# KiCad board sun3_60_layout2_routing2.kicad_pcb (continued)
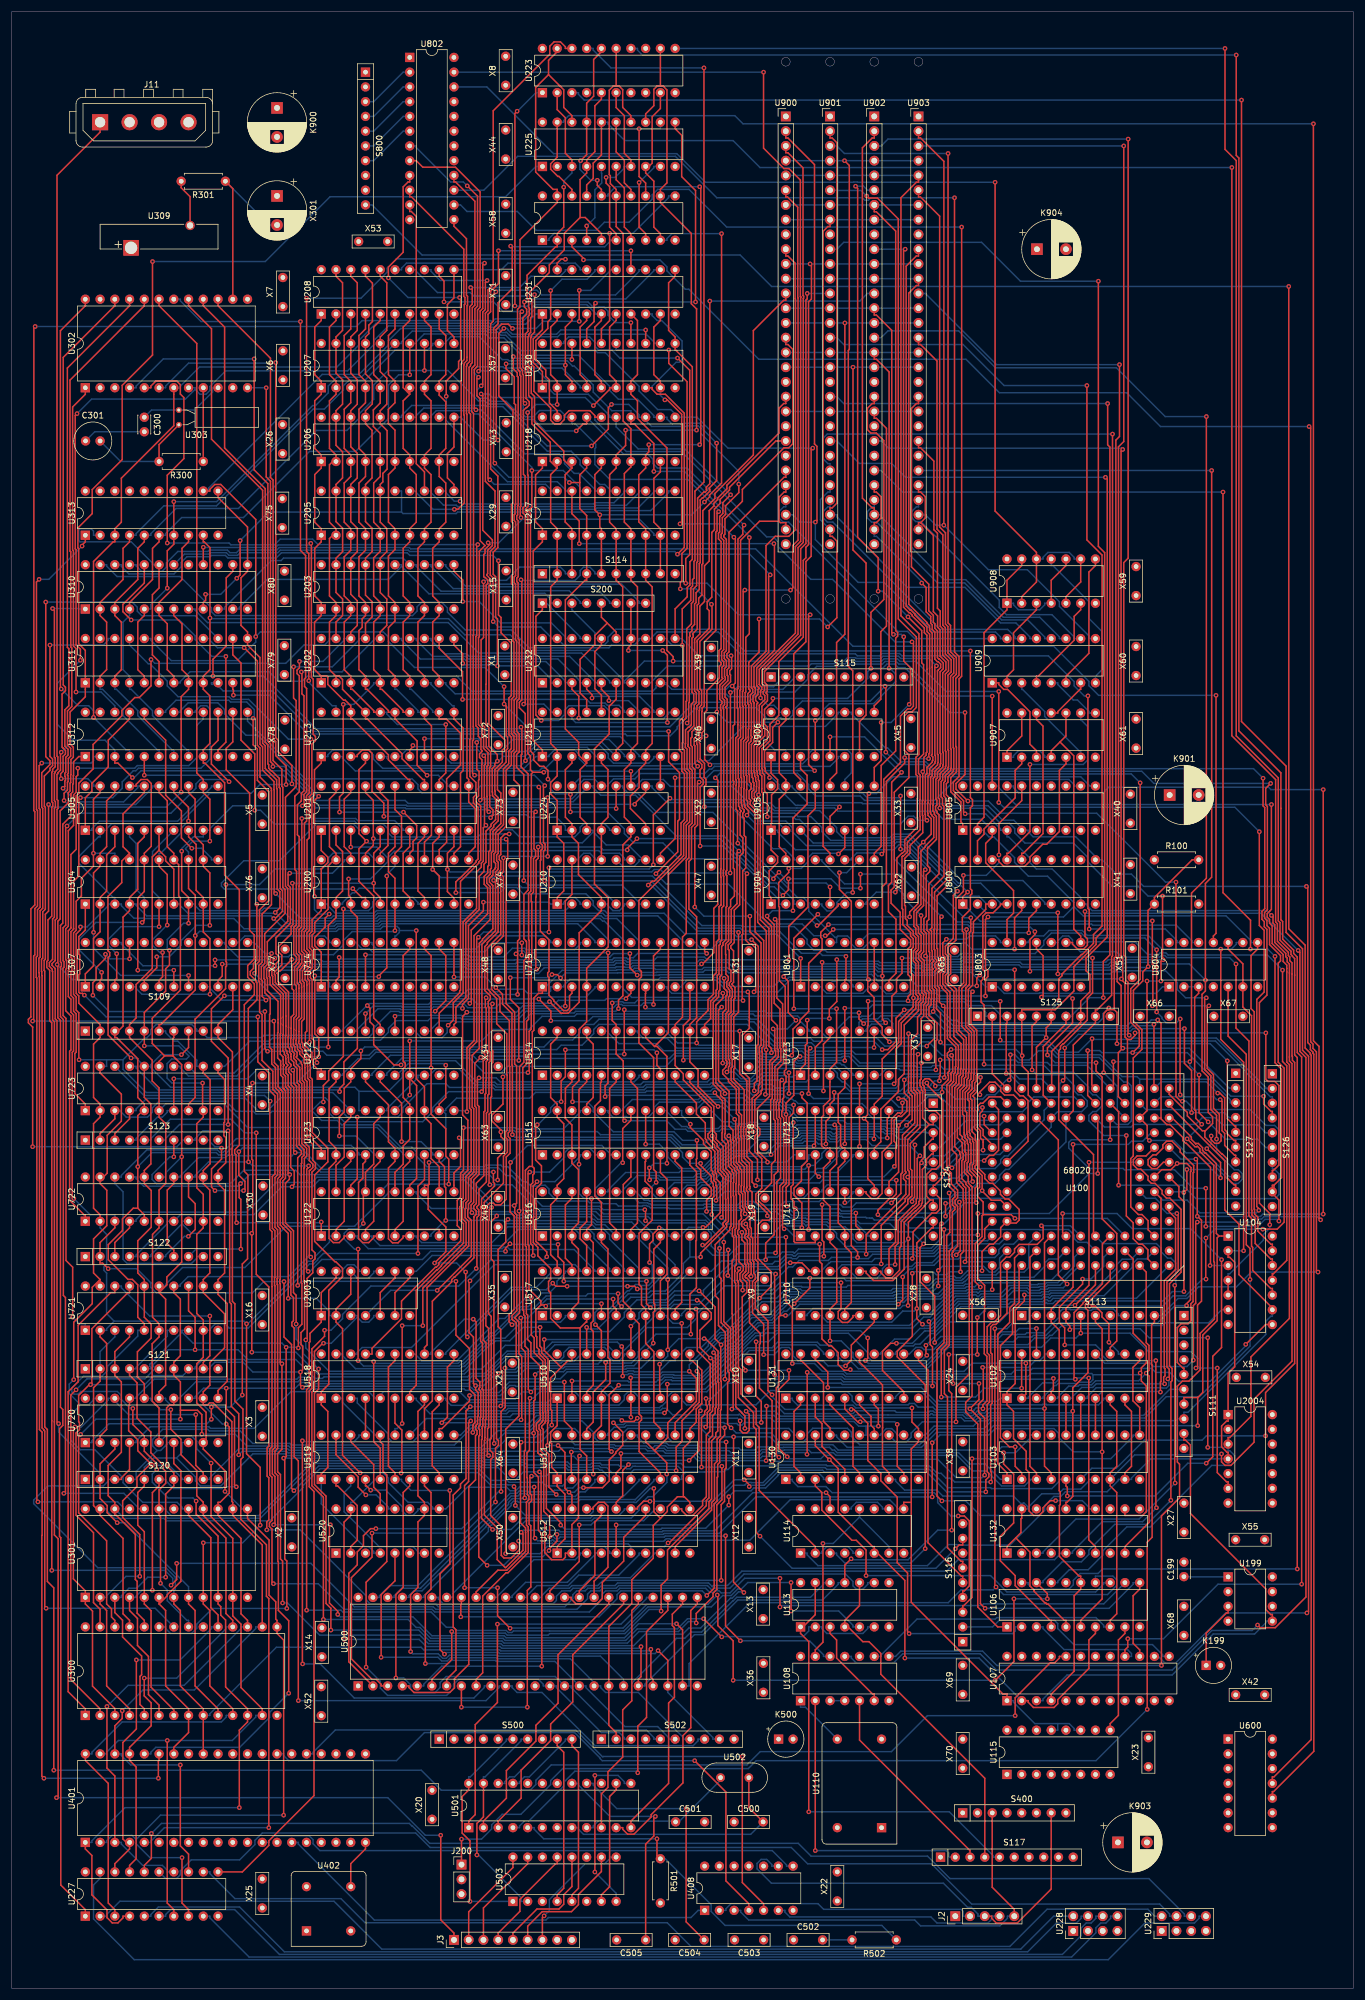
[diagram p0: board, top side]
## Routing (per net, layer and track width the routed paths; a pad name or vN(x,y) marks a point on that pad's centre or on a via; arc(x,y) is an arc through that point) (continued)
/sun3_60_cpu/D13: length 262.7
  Top w0.25: S125.7 181.62,166.09 177.71,162.17 177.71,153.78 U100.152 ; v1(188.81,272.88) 188.81,265.77 189.2,265.39 189.2,177.95 188.06,176.82 v1(188.06,170.58) ; v1(121.34,135.67) 121.46,135.8 121.46,138.1 121.32,138.25 121.32,138.79 120.98,139.13 120.98,140.04 120.76,140.26 120.76,140.67 120.53,140.91 120.53,144.08 119.19,145.42 119.19,145.97 116.93,148.23 v1(116.93,148.81)
  Bottom w0.25: U515.15 115.43,151.14 115.43,150.31 v1(116.93,148.81) ; U901.20 142.16,274.06 143.34,272.88 v1(188.81,272.88) ; S125.7 182.75,167.38 182.75,167.66 185.68,170.58 v1(188.06,170.58) ; U100.152 177.87,151.18 177.87,149.57 171.63,143.33 171.01,143.33 170.38,142.69 170.38,142.13 169.4,141.15 165.21,141.15 162.43,138.37 140.5,138.37 139.57,137.44 139.57,137.16 U711.13 137.32,137.16 137.32,136.98 136.37,136.03 135.44,136.03 134.25,137.22 122.89,137.22 v1(121.34,135.67)
/sun3_60_cpu/D14: length 259
  Top w0.25: v1(188.43,260.18) 188.74,259.87 188.74,181.04 185.09,177.38 185.09,175.22 185.75,174.55 185.75,171.59 184.16,170 S125.8 184.16,166.25 184.07,166.25 179.16,161.34 179.16,155.01 U100.165 ; v1(133.08,130.78) 132.81,131.05 132.81,137.94 133.42,138.56 133.42,138.62 133.46,138.66 133.46,150.42 v1(133.4,150.48) 133.4,152.43 134.74,153.77 134.74,159.61 135.82,160.68 v1(135.82,160.46)
  Bottom w0.25: v1(135.82,160.46) 135.9,160.37 136.76,160.37 136.89,160.25 142.9,160.25 143.03,160.37 143.13,160.37 143.22,160.47 144.22,160.47 145.88,158.82 155.67,158.82 155.89,158.59 158.39,158.59 158.69,158.88 159.97,158.88 160.58,158.28 171.91,158.28 173.61,156.58 177.44,156.58 U100.165 ; U711.1 134.78,129.54 133.54,130.78 v1(133.08,130.78) ; v1(133.4,150.48) 133.3,150.48 132.53,151.26 123.82,151.26 122.65,152.42 122.19,152.42 122.03,152.59 119.24,152.59 117.97,151.32 117.97,151.14 U515.14 ; v1(188.43,260.18) 153.97,260.18 151.58,262.57 146.03,262.57 142.16,266.44 140.99,266.44
/sun3_60_cpu/D15: length 276.8
  Top w0.25: U711.2 138.44,128.41 134.97,128.41 134.78,128.6 134.78,134.25 ; 134.78,134.25 134.78,135.46 134.26,135.98 134.26,138.03 134.65,138.41 v1(134.65,149.08) ; 134.78,134.25 v1(135,134.25) ; U100.138 182.89,151.12 182.89,162.43 186.71,166.25 S125.9 186.71,168.5 187,168.5 189.49,170.99 189.49,177.61 189.65,177.77 v1(189.65,267.62)
  Bottom w0.25: U100.138 181.62,145.75 171.9,136.03 163.65,136.03 163.56,136.11 162.96,136.11 162.53,135.69 162.53,135.55 160.66,133.67 160.58,133.67 160.38,133.48 151.98,133.48 151.24,134.22 145.13,134.22 144.74,133.84 142.96,133.84 142.58,134.22 135.04,134.22 v1(135,134.25) ; v1(134.65,149.08) 134.41,148.84 128.67,148.84 128.39,149.12 127.04,149.12 126.77,148.84 124.3,148.84 123.92,149.22 122.42,149.22 120.51,151.14 U515.13 ; U901.25 140.99,262.53 140.62,262.53 139.74,263.41 139.74,266.86 140.5,267.62 v1(189.65,267.62)
/sun3_60_cpu/D16: length 342.9
  Top w0.25: v1(181.12,156.32) 181.41,156.61 v1(181.41,161.92) ; U712.8 151.15,150.01 150.84,149.71 v1(150.84,146.42) ; v1(192.34,318.41) 192.34,246.25 191.57,245.48 191.57,177.89 191.91,177.55 191.91,173.61 192.31,173.21 192.31,164.33 v1(192.52,164.12)
  Bottom w0.25: v1(150.84,146.42) 149.42,146.42 148.8,147.05 142.33,147.05 141.96,146.67 141.29,146.67 140.92,147.05 139.31,147.05 139.11,147.25 135.96,147.25 135.59,146.88 133.77,146.88 133.62,147.04 128.29,147.04 128.02,146.76 125.44,146.76 124.25,145.57 124.11,145.57 122.65,144.11 122.47,144.11 119.07,140.71 115.22,140.71 114.98,140.48 105.76,140.48 102.73,137.44 102.73,137.16 U516.20 ; v1(181.41,161.92) 183.76,164.27 192.37,164.27 v1(192.52,164.12) 193.02,163.62 207.53,163.62 216.05,155.1 216.05,154.94 S126.2 ; U712.8 166.7,151.14 166.89,150.95 174.14,150.95 175.09,151.9 175.09,152.5 176.09,153.49 180.53,153.49 ; v1(181.12,156.32) 180.53,155.74 180.53,153.49 ; 180.53,153.49 183.08,153.49 U100.150 ; U902.3 149.78,317.24 150.96,318.41 v1(192.34,318.41)
/sun3_60_cpu/D17: length 313
  Top w0.25: v1(149.27,240.57) 149.27,246.32 145.74,249.86 145.74,309.94 v1(145.38,310.3) ; v1(170.3,169.96) v1(170.3,163.27) ; 155.31,170.54 155.31,174.48 154.87,174.93 154.87,178.79 155.12,179.05 155.12,179.06 155.31,179.24 155.31,180.73 154.86,181.18 154.86,181.82 153.52,183.15 153.52,185.78 153.38,185.93 153.38,194.85 153.51,194.98 153.62,194.98 154.31,195.67 154.31,197.32 156.5,199.51 156.5,201.75 156.45,201.8 156.45,204.65 156.5,204.7 156.5,208.91 156.23,209.19 156.23,211.66 157.1,212.53 157.1,227.91 156.78,228.23 156.78,233.78 v1(154.42,236.14) ; 155.31,170.54 v1(155.35,170.54) ; 155.31,170.54 155.31,169 152.8,166.49 152.8,162.85 149.97,160.02 149.97,153.64 148.6,152.27 U712.9 148.6,146.31 v1(148.55,146.26) ; U100.162 186.08,155.56 186.08,159.69 186.12,159.73 v1(186.12,163.53)
  Bottom w0.25: S126.3 217.18,153.53 216.82,153.53 212.57,157.78 212.57,157.92 207.37,163.12 192.71,163.12 192.43,163.39 186.26,163.39 v1(186.12,163.53) 183.79,161.19 180.53,161.19 178.75,162.98 170.58,162.98 v1(170.3,163.27) ; U902.6 147.43,309.62 146.75,310.3 v1(145.38,310.3) ; v1(148.55,146.26) 148.21,146.6 142.52,146.6 142.14,146.22 141.11,146.22 140.73,146.6 139.12,146.6 138.92,146.8 136.15,146.8 135.78,146.43 133.58,146.43 133.43,146.58 128.48,146.58 128.21,146.31 125.71,146.31 124.06,144.67 123.95,144.67 122.94,143.66 122.65,143.66 119.26,140.26 118.08,140.26 117.46,139.64 111.84,139.64 111.52,139.96 107.79,139.96 105.27,137.44 105.27,137.16 U516.19 ; v1(155.35,170.54) 155.52,170.37 164.25,170.37 164.66,169.96 v1(170.3,169.96) ; v1(154.42,236.14) 149.99,240.57 v1(149.27,240.57)
/sun3_60_cpu/D18: length 351
  Top w0.25: v1(193.11,161.12) 194.25,162.25 194.25,164.89 192.78,166.36 192.78,172.11 194.4,173.73 v1(194.4,207.58) ; U100.149 185.37,153.74 v1(185.37,161.47) ; v1(146.06,155.74) U712.10 v1(146.06,144.97) ; v1(215.68,153.61) 215.68,152.28 216.97,150.99 217.18,150.99 S126.4 ; v1(153.93,299.46) 153.65,299.17 153.65,237.81 154.59,236.87 154.72,236.87 155.14,236.45 155.14,236.31 157.23,234.22 157.23,233.44 157.68,232.99 157.68,227.12 157.68,227.12 157.68,212.87 157.55,212.74 157.55,212.35 157.15,211.95 157.15,209.69 v1(156.95,209.49) 156.95,204.51 156.9,204.46 156.9,201.99 156.95,201.93 156.95,198.98 154.76,196.79 154.76,195.48 153.83,194.55 153.83,186.48 153.98,186.34 153.98,184.2 154.28,183.89 154.28,183.03 155.31,182 155.31,181.36 155.76,180.91 155.76,179.06 155.58,178.87 155.58,178.86 155.34,178.62 155.34,176.9 155.76,176.47 155.76,171.15 156.08,170.84 156.08,170.83 156.14,170.77 156.14,170.3 155.76,169.93 155.76,168.74 153.25,166.23 153.25,162.66 152.32,161.72 152.32,156.05 v1(152.01,155.74)
  Bottom w0.25: U902.10 v1(153.93,299.46) ; v1(185.37,161.47) 187.44,161.47 187.8,161.12 v1(193.11,161.12) 202.52,161.12 210.03,153.61 v1(215.68,153.61) ; v1(146.06,144.97) 145.76,144.67 143.04,144.67 142.34,143.97 142.34,143.25 140.26,141.17 138.78,141.17 138.18,140.57 125.21,140.57 120.2,135.56 109.9,135.56 109.75,135.71 108.98,135.71 107.81,136.88 107.81,137.16 U516.18 ; v1(156.95,209.49) 157.34,209.11 192.87,209.11 v1(194.4,207.58) ; v1(152.01,155.74) v1(146.06,155.74)
/sun3_60_cpu/D19: length 347.9
  Top w0.25: U100.136 187.1,149.47 v1(187.1,140.31) ; U712.11 v1(143.53,145.42) ; v1(166.45,129.73) v1(166.45,133.42) ; v1(137.3,130.67) v1(137.3,141.7) ; v1(111.03,138.78) 111.03,140.56 110.59,141 110.59,160.26 108.07,162.78 108.07,173.74 108.49,174.17 108.49,175.1 108.06,175.53 108.06,187.33 115.77,195.04 115.77,200.46 116.35,201.05 116.35,209.32 115.9,209.77 115.9,213.19 115.54,213.54 115.54,214.43 115.64,214.52 115.64,218.17 116.19,218.72 116.19,221.59 116.3,221.7 116.3,234.13 117.11,234.94 117.11,238.46 117.45,238.8 117.45,240.97 118,241.52 118,245.51 118.17,245.67 118.17,256.58 119.24,257.65 119.49,257.65 119.75,257.91 119.75,258.01 119.67,258.1 119.67,258.47 120.27,259.07 v1(120.27,290.53)
  Bottom w0.25: 109.78,137.16 109.78,137.54 v1(111.03,138.78) ; 109.78,137.16 110.35,137.16 110.35,136.89 111.23,136.01 120.01,136.01 125.02,141.03 136.62,141.03 v1(137.3,141.7) 138.24,141.7 139.57,143.03 139.57,143.75 140.49,144.67 142.39,144.67 143.14,145.42 v1(143.53,145.42) ; 109.78,137.16 U516.17 ; U100.136 188.26,148.31 192.83,148.31 193.29,148.76 203.95,148.76 205.11,149.92 207.36,149.92 208.61,148.67 214.7,148.67 216.05,147.32 S126.5 ; v1(137.3,130.67) 141.45,130.67 142.11,130.01 142.11,129.31 143.67,127.75 156.01,127.75 156.31,127.45 158.44,127.45 160.72,129.73 v1(166.45,129.73) ; v1(187.1,140.31) 185.64,140.31 178.75,133.42 v1(166.45,133.42) ; U902.13 147.43,291.84 146.12,290.53 v1(120.27,290.53)
/sun3_60_cpu/D20: length 314.8
  Top w0.25: v1(202.96,159.56) 203.25,159.85 203.25,188.59 205.81,191.15 v1(205.81,270.64) ; v1(189.8,159.56) 189.8,155.49 U100.161 ; v1(141.69,154.29) 141.69,152.97 140.99,152.27 U712.12 140.99,150.01 140.27,149.3 v1(140.27,145.39) ; v1(206.12,149.19) 204.55,150.76 v1(204.55,157.28) ; v1(159.82,156.25) 159.82,157.02 159.96,157.17 v1(159.96,159.86)
  Bottom w0.25: v1(204.55,157.28) 202.96,158.87 v1(202.96,159.56) v1(189.8,159.56) ; v1(159.82,156.25) 158.98,156.25 158.39,155.66 158.39,155.57 157.91,155.09 154.72,155.09 153.68,154.05 141.93,154.05 v1(141.69,154.29) ; v1(205.81,270.64) 198.72,270.64 190.32,279.03 169.5,279.03 163.14,285.39 150.96,285.39 149.78,284.22 148.6,284.22 ; S126.6 216.05,144.78 214.62,146.22 209.1,146.22 v1(206.12,149.19) ; U100.161 185.25,158.94 178.9,158.94 178.43,159.41 173.4,159.41 172.95,159.86 v1(159.96,159.86) ; U516.16 112.89,137.16 112.89,137.44 114.18,138.74 117.84,138.74 118.33,139.23 118.97,139.23 119.1,139.36 119.63,139.36 123.03,142.75 123.31,142.75 124.29,143.73 129.97,143.73 131.77,145.53 136.24,145.53 136.57,145.85 138.5,145.85 138.96,145.39 v1(140.27,145.39)
/sun3_60_cpu/D21: length 376.9
  Top w0.25: v1(164.73,204.44) 162.68,206.49 162.68,207.45 164.24,209.01 v1(164.24,219.68) ; U712.13 138.44,145.3 v1(138.22,145.08) ; v1(201.67,152.75) 201.41,152.75 200.58,153.58 v1(200.58,190.48) ; U100.148 190.7,150.95 v1(190.7,138.29) ; U902.20 148.6,272.88 148.24,272.88 147.42,272.06 147.42,268.38 148.01,267.8 148.95,267.8 150.25,266.5 150.25,239.14 148.03,236.92 v1(148.03,227.29) ; v1(130.82,143.56) 130.76,143.62 130.76,152.98 131.03,153.25 131.03,159.31 132.07,160.35 132.07,161.59 131.91,161.75 131.91,165.78 130.91,166.78 130.91,182.86 129.43,184.34 129.43,205.54 129.4,205.57 129.4,205.81 129.21,205.99 129.21,206.53 129.24,206.55 129.24,208.74 128.9,209.08 128.9,209.71 128.79,209.82 128.79,213.6 130.19,214.99 130.19,217.18 129.7,217.67 129.7,220.21 131.15,221.66 v1(131.15,222.11)
  Bottom w0.25: U516.15 115.43,137.16 115.43,137.35 116.36,138.29 118.13,138.29 118.62,138.78 119.69,138.78 123.21,142.3 123.5,142.3 124.47,143.28 130.54,143.28 v1(130.82,143.56) 132.34,145.08 v1(138.22,145.08) ; v1(201.67,152.75) 202.33,152.75 203.76,151.32 213.35,151.32 216.08,148.59 217.56,148.59 218.31,147.85 218.31,142.8 217.18,141.68 ; v1(200.58,190.48) 198.78,190.48 186.92,202.34 170.37,202.34 168.27,204.44 v1(164.73,204.44) ; 217.18,141.68 S126.7 ; 217.18,141.68 217.18,141.11 217.46,141.11 218.34,140.24 218.34,136.68 217.64,135.99 204.01,135.99 201.71,138.29 v1(190.7,138.29) ; v1(131.15,222.11) 144.01,222.11 147.48,225.57 147.48,226.74 v1(148.03,227.29) 150.03,227.29 150.77,228.02 152.11,228.02 152.73,227.4 153.88,227.4 161.6,219.68 v1(164.24,219.68)
/sun3_60_cpu/D22: length 327.3
  Top w0.25: 192.22,163.39 191.8,163.82 191.8,173.09 191.4,173.49 191.4,173.81 ; 192.22,163.39 192.22,155.38 U100.160 ; 192.22,163.39 192.82,163.39 193.52,164.09 v1(193.52,164.52) ; v1(131.18,165.2) 131.46,164.92 131.46,161.56 131.61,161.4 131.61,160.64 130.58,159.6 130.58,153.61 128.47,151.51 128.47,148.4 128.9,147.98 128.9,147 128.47,146.58 128.47,144.25 130.22,142.51 v1(130.22,142.26) ; v1(216.05,164.52) 216.05,156.54 216.44,156.16 217.61,156.16 218.31,155.46 218.31,141.76 217.37,140.83 217.18,140.83 S126.8 ; v1(132.99,174.2) 133.78,173.41 133.78,168.02 v1(135.11,166.69) ; 191.4,173.81 v1(191.17,173.81) ; 191.4,173.81 191.4,177.43 191.12,177.7 191.12,264.69 v1(191.4,264.97) ; v1(166.27,172.62) 166.27,173.96 v1(166.8,174.5)
  Bottom w0.25: v1(131.18,165.2) 133.61,165.2 v1(135.11,166.69) ; v1(166.27,172.62) 155.94,172.62 154.97,173.58 150.57,173.58 150.48,173.49 149.24,173.49 148.14,174.6 133.39,174.6 v1(132.99,174.2) ; U516.14 117.97,137.16 117.97,137.35 118.94,138.33 120.16,138.33 124.09,142.26 v1(130.22,142.26) 133.51,142.26 134.78,143.52 U712.1 ; v1(193.52,164.52) v1(216.05,164.52) ; v1(191.4,264.97) 191.18,265.19 151.03,265.19 149.78,266.44 148.6,266.44 ; v1(191.17,173.81) 167.49,173.81 v1(166.8,174.5)
/sun3_60_cpu/D23: length 369.5
  Top w0.25: v1(152.07,141.54) 152.31,141.77 152.31,145.56 152.02,145.85 152.02,149.48 152.78,150.24 152.88,150.24 152.99,150.13 153.3,150.13 154.22,151.05 154.22,152.75 153.76,153.21 v1(152.76,153.21) ; U712.2 138.44,140.35 v1(139.04,139.76) ; 217.46,138.29 218.76,139.59 218.76,158.26 217.64,159.38 v1(217.64,177.69) ; 217.46,138.29 217.46,136.59 218.31,135.74 v1(218.31,132.12) ; 217.46,138.29 217.18,138.29 S126.9 ; v1(172.06,160.76) 172.06,156.62 v1(171.85,156.41) ; U100.135 v1(189.25,146.12) ; v1(205.71,131.2) v1(205.71,137.77) ; v1(208.68,257.64) 208.68,188.66 213.42,183.92 v1(213.42,178.95)
  Bottom w0.25: v1(171.85,156.41) 171.39,156.41 170.38,155.4 170.38,154.82 169.41,153.85 168.01,153.85 167.28,153.12 162.59,153.12 160.64,155.07 160.03,155.07 159.59,154.63 154.9,154.63 153.48,153.21 v1(152.76,153.21) ; U712.2 137.32,143.52 137.32,142.85 135.94,141.48 124.82,141.48 120.51,137.16 U516.13 ; v1(189.25,146.12) 182.57,146.12 182.11,145.66 182.11,144.68 185.61,141.18 191.47,141.18 191.69,140.96 200.32,140.96 203.51,137.77 v1(205.71,137.77) ; v1(213.42,178.95) 216.38,178.95 v1(217.64,177.69) ; v1(218.31,132.12) 218.01,132.42 215.92,132.42 214.7,131.2 v1(205.71,131.2) ; U100.135 190.34,148.76 192.29,148.76 192.87,149.34 192.87,155.39 192.21,156.06 191.58,156.06 187.35,160.29 179.99,160.29 178.85,161.44 176.88,161.44 175.31,159.86 173.7,159.86 172.8,160.76 v1(172.06,160.76) ; U902.25 149.78,261.36 153.5,257.64 v1(208.68,257.64) ; v1(152.07,141.54) 150.29,139.76 v1(139.04,139.76)
/sun3_60_cpu/D24: length 466.3
  Top w0.25: U100.147 190.65,153.54 190.65,161.12 v1(191.41,161.89) 191.13,162.17 191.13,172.66 190.44,173.36 190.44,176.89 v1(190.67,177.12) 190.67,265.43 191.58,266.34 v1(191.58,317.24) ; v1(145.98,167.99) 145.98,166.91 v1(146.78,166.11) ; U122.3 57.29,129.54 57.29,129.26 56.45,128.41 55.41,128.41 54.68,129.14 54.68,141.2 55.88,142.39 U123.2 55.88,144.65 54.69,145.83 54.69,154.9 55.88,156.09 U212.2 ; v1(153.38,177.39) 153.38,174.8 152.44,173.86 152.44,171.63 151.64,170.83 151.64,165.33 U713.8 ; v1(105.54,160.86) v1(105.54,168.51)
  Bottom w0.25: U122.3 59.55,129.54 59.55,129.26 61.44,127.37 84.5,127.37 84.78,127.64 85.38,127.64 85.81,127.22 96.91,127.22 100.47,123.65 100.47,123.47 U517.20 ; v1(145.98,167.99) 145.92,167.93 130.13,167.93 129.83,168.23 105.82,168.23 v1(105.54,168.51) ; S127.2 209.74,155.02 202.87,161.89 v1(191.41,161.89) ; v1(190.67,177.12) 188.91,177.12 188.47,176.68 185.84,176.68 185.38,177.14 163.98,177.14 163.59,176.74 158.7,176.74 158.2,176.24 157.22,176.24 157.06,176.4 157.06,176.4 156.07,177.39 v1(153.38,177.39) ; U713.8 151.78,164.84 151.78,166.14 150.93,166.98 150.28,166.98 149.78,166.48 147.16,166.48 v1(146.78,166.11) ; U903.3 v1(191.58,317.24) ; U212.2 57.01,157.22 57.01,157.41 59.69,160.09 61.67,160.09 62.76,161.18 89.29,161.18 89.61,160.86 v1(105.54,160.86)
/sun3_60_cpu/D25: length 406.5
  Top w0.25: U713.9 148.6,162.05 v1(148.56,162) ; U122.4 60.96,130.67 62.37,132.08 62.37,141.27 63.5,142.39 U123.5 ; v1(60.16,161.42) 60.16,160.09 58.42,158.34 U212.3 58.42,156.09 57.29,154.96 57.29,150.91 56.46,150.08 v1(56.46,146.76) ; v1(160.01,162.91) 160.01,167.97 159.33,168.65 159.33,169.96 159.38,170.01 159.38,172.05 159.05,172.38 159.05,175.18 159.38,175.51 159.38,175.53 159.03,175.87 159.03,176.43 159.35,176.75 159.35,177.08 159.05,177.38 159.05,178.78 158.93,178.9 158.93,182.22 158.85,182.3 158.99,182.44 158.99,188.75 161.12,190.88 161.12,203.66 160.88,203.9 160.88,205.02 160.57,205.33 160.57,207.6 160.84,207.88 160.84,208.8 161.77,209.73 161.77,210.04 161.85,210.12 161.85,213.34 161.75,213.45 161.75,225.92 162.3,226.47 162.3,228.95 161.29,229.95 161.29,234.48 160.87,234.91 160.87,250.63 159.87,251.63 159.87,305.14 156.57,308.44 156.22,308.44 U903.6
  Bottom w0.25: S127.3 209.92,152.48 209.92,153.02 206.4,156.54 194.32,156.54 ; 194.32,156.54 193.87,156.99 191.28,156.99 187.53,160.74 180.29,160.74 178.54,162.49 160.44,162.49 v1(160.01,162.91) 159.26,163.66 151.56,163.66 151.52,163.7 150.58,163.7 149.73,164.55 149.73,164.84 U713.9 ; 194.32,156.54 U100.159 ; v1(148.56,162) 138.58,162 137.76,162.82 131.47,162.82 127.87,166.42 127.15,166.42 126.7,166.87 101.19,166.87 100.28,165.97 98.59,165.97 97.93,165.31 97.93,164.59 96.64,163.3 92.91,163.3 91.7,162.09 60.84,162.09 v1(60.16,161.42) ; U517.19 103.01,123.47 103.01,123.94 97.79,129.17 97.79,129.93 97.05,130.68 87.28,130.68 84.7,128.09 84.7,128.09 84.59,128.09 84.39,127.9 63.45,127.9 62.09,129.26 62.09,129.54 U122.4 ; U123.5 62.37,143.52 62.37,143.72 59.33,146.76 v1(56.46,146.76)
/sun3_60_cpu/D26: length 427.8
  Top w0.25: v1(87.37,159.77) 87.37,168.84 85.91,170.3 v1(85.91,174.02) ; v1(157.96,211.73) 158,211.77 158,212.55 158.13,212.69 158.13,227.3 158.13,227.31 158.13,233.17 157.68,233.62 157.68,234.41 155.59,236.49 155.59,236.63 154.9,237.32 154.79,237.32 154.1,238.01 154.1,296.54 155.84,298.28 156.22,298.28 U903.10 ; v1(93.07,174.56) 93.99,174.56 v1(94.57,173.98) ; U212.4 60.96,156.09 64.91,152.14 64.91,145.77 66.04,144.65 U123.6 66.04,142.39 64.91,141.27 64.91,129.07 65.61,128.38 66.57,128.38 67.45,129.26 67.45,129.54 U122.7 ; v1(202.03,165.25) 202.03,159.27 203.26,158.04 v1(203.26,150.79) ; v1(153.84,211.92) 153.84,210.97 150.7,207.83 150.7,190.39 150.01,189.7 v1(150.01,174.31) 150.01,166.83 v1(150.58,166.26)
  Bottom w0.25: v1(150.58,166.26) 150.35,166.03 148.14,166.03 147.19,165.08 147.19,164.84 U713.10 145.98,164.92 145.98,166.32 146.59,166.94 149.2,166.94 149.73,167.46 153.13,167.46 153.28,167.31 158.43,167.31 160.89,164.84 192.77,164.84 193.17,165.25 v1(202.03,165.25) ; v1(153.84,211.92) 154.02,211.73 v1(157.96,211.73) ; U212.4 62.09,157.22 62.09,157.5 65.25,160.66 79.43,160.66 80.51,159.57 81.11,159.57 81.47,159.93 87.22,159.93 v1(87.37,159.77) ; U100.146 195.41,151.31 202.74,151.31 v1(203.26,150.79) 208.89,150.79 209.74,149.94 S127.4 ; U517.18 105.55,123.47 105.55,123.92 100.33,129.14 100.33,129.86 99.15,131.04 97.32,131.04 97.23,131.13 85.46,131.13 82.75,128.41 70.64,128.41 69.71,129.35 69.71,129.54 U122.7 ; v1(94.57,173.98) 95.44,174.84 104.38,174.84 104.4,174.87 107.14,174.87 107.46,175.19 108.07,175.19 108.34,174.92 111.12,174.92 111.18,174.98 119.1,174.98 119.44,175.32 123.06,175.32 123.51,174.87 131.65,174.87 131.83,175.05 148.46,175.05 149.2,174.31 v1(150.01,174.31) ; v1(93.07,174.56) 92.54,174.02 v1(85.91,174.02)
/sun3_60_cpu/D27: length 430.5
  Top w0.25: U123.9 73.66,142.39 74.57,141.48 74.57,138.07 74.79,137.86 v1(74.79,132.23) ; v1(209.42,159.7) 209.42,149.76 210.65,148.52 210.86,148.52 S127.5 ; U212.5 63.5,156.09 67.18,152.41 v1(67.18,145.8) ; v1(190.41,162.66) 190.41,168.06 189.94,168.52 ; v1(143.53,159.74) U713.11 v1(143.53,168.77) ; 189,168.52 188.79,168.52 188.12,167.85 v1(188.12,157.67) ; 189,168.52 189.94,168.52 ; 189,168.52 v1(189,168.81) ; 189.94,168.52 189.94,177.42 190.22,177.7 190.22,266.58 190.85,267.2 v1(190.85,279.58)
  Bottom w0.25: v1(190.41,162.66) 206.47,162.66 v1(209.42,159.7) ; U212.5 64.63,157.22 64.63,157.57 67.25,160.2 78.84,160.2 81.42,157.62 84.29,157.62 85.42,158.75 112.69,158.75 114.48,160.54 116.02,160.54 116.02,160.54 128.34,160.54 128.85,160.03 129.25,160.03 129.36,159.92 133.81,159.92 133.9,160.02 134,160.02 134.1,159.92 134.7,159.92 135.04,160.26 135.04,160.21 135.52,159.73 136.12,159.73 136.31,159.92 136.57,159.92 136.7,159.79 143.47,159.79 v1(143.53,159.74) ; U100.134 190.47,151.17 190.47,155.31 v1(188.12,157.67) ; v1(67.18,145.8) 70.53,145.8 72.53,143.8 72.53,143.52 U123.9 ; U122.8 72.25,129.54 72.25,129.82 74.65,132.23 v1(74.79,132.23) 84.67,132.23 85.21,131.68 97.32,131.68 97.51,131.49 100.01,131.49 100.62,130.88 101.86,130.88 103.01,129.72 103.01,128.99 108.09,123.91 108.09,123.47 U517.17 ; v1(190.85,279.58) 169.66,279.58 157.4,291.84 U903.13 ; v1(143.53,168.77) 147.75,168.77 148.3,169.32 157.96,169.32 158.02,169.38 159.24,169.38 161.95,166.67 162.9,166.67 163.36,166.22 187.15,166.22 187.97,167.04 187.97,167.78 v1(189,168.81)
/sun3_60_cpu/D28: length 402.2
  Top w0.25: v1(93.22,121.42) 93.75,120.89 v1(95.7,120.89) ; U123.12 73.66,152.27 74.79,153.39 v1(74.79,158.96) ; 71.75,138.29 71.12,138.29 U122.13 ; 71.75,138.29 71.91,138.44 v1(71.91,142.2) ; 71.75,138.29 71.75,134.14 74.8,131.09 74.8,126.83 v1(72.86,124.9) ; S127.6 210.86,145.98 210.58,145.98 209.42,147.15 209.42,147.41 208.97,147.86 208.97,153.33 208.15,154.15 v1(207.76,154.15) ; v1(106.1,120.89) 107.31,120.89 v1(107.78,120.42) ; 156.22,284.22 156.22,283.04 156.57,283.04 159.41,280.2 159.41,251.26 160.42,250.25 160.42,234.72 160.84,234.29 160.84,229.76 161.85,228.76 161.85,226.66 161.3,226.11 161.3,213.26 161.4,213.16 161.4,210.31 161.32,210.23 161.32,209.92 160.39,208.99 160.39,208.07 160.12,207.79 160.12,205.14 160.36,204.9 160.36,203.78 160.61,203.52 160.61,191.48 158.53,189.4 158.53,182.63 158.21,182.3 158.47,182.04 158.47,178.72 158.6,178.59 158.6,177.19 158.87,176.92 158.87,176.92 158.58,176.62 158.58,175.69 158.69,175.57 158.69,175.47 158.6,175.37 158.6,172.19 158.93,171.86 158.93,170.19 158.85,170.12 158.85,168.3 v1(158.75,168.2) ; U100.158 196.78,155.02 v1(196.78,165.98) ; v1(78.22,123.34) 78.22,112.45 v1(78.51,112.15) ; U713.12 140.99,163.71 139.85,162.57 v1(139.85,154.52)
  Bottom w0.25: U212.6 66.33,157.22 68.35,159.23 74.51,159.23 v1(74.79,158.96) ; v1(78.51,112.15) 78.51,112.46 86.33,120.28 92.08,120.28 v1(93.22,121.42) ; U100.158 198.02,156.09 205.82,156.09 v1(207.76,154.15) ; U123.12 74.22,151.14 ; 74.22,151.14 74.79,150.57 74.79,143.02 73.98,142.2 v1(71.91,142.2) ; 74.22,151.14 74.79,151.14 74.79,151.42 76.64,153.28 89.26,153.28 90.25,154.27 109.16,154.27 109.39,154.5 120.39,154.5 120.85,154.95 121.45,154.95 121.82,154.57 122.36,154.57 122.57,154.78 126.67,154.78 127.63,153.82 128.23,153.82 129.23,154.82 131.12,154.82 131.38,154.56 133.25,154.56 133.5,154.81 139.57,154.81 v1(139.85,154.52) ; U517.16 111.76,122.34 111.71,122.34 109.79,120.42 v1(107.78,120.42) ; v1(78.22,123.34) 76.66,124.9 v1(72.86,124.9) ; v1(196.78,165.98) 196.55,165.75 193.03,165.75 192.58,165.3 161.66,165.3 v1(158.75,168.2) 158.3,167.76 153.47,167.76 153.3,167.93 148.33,167.93 147.79,167.39 146.4,167.39 146.28,167.26 144.29,167.26 142.11,165.09 142.11,164.84 U713.12 ; v1(106.1,120.89) v1(95.7,120.89)
/sun3_60_cpu/D29: length 396.3
  Top w0.25: v1(157.64,162.25) 158.97,163.57 158.97,165.92 157.57,167.31 157.57,169.18 157.95,169.56 157.95,170.49 158.02,170.57 158.02,171.49 157.69,171.82 157.69,175.29 157.67,175.31 157.67,177.65 157.57,177.76 ; v1(201.32,166.93) 201.29,166.89 201.29,153.89 v1(201.32,153.86) ; 68.58,156.65 69.77,155.47 69.77,139.47 68.58,138.29 U122.14 ; 68.58,156.65 v1(68.58,153.83) ; 68.58,156.65 U212.7 v1(68.58,163.13) ; v1(197.25,178.83) v1(197.25,168.11) ; 157.57,177.76 v1(157.42,177.76) ; 157.57,177.76 157.57,181.66 157.15,182.08 157.15,184.18 157.55,184.58 157.55,191.69 158.16,192.3 158.16,192.91 157.78,193.3 157.78,196.32 157.79,196.32 159.31,197.84 159.31,201.79 158.97,202.13 158.97,202.23 158.96,202.24 158.96,202.48 158.71,202.74 158.71,203.71 158.76,203.77 158.76,208.35 159.04,208.63 159.04,209.55 159.96,210.48 159.96,210.79 160.04,210.87 160.04,212.6 159.94,212.7 159.94,226.67 160.49,227.22 160.49,228.2 159.8,228.89 159.72,228.89 159.49,229.12 159.49,233.73 159.04,234.19 159.04,234.97 158.78,235.22 158.78,236.41 157.99,237.21 157.99,241.78 155.01,244.76 155.01,272.03 155.86,272.88 156.22,272.88 U903.20 ; S127.7 210.86,143.44 210.67,143.44 208.97,145.14 208.97,147.22 208.52,147.67 208.52,152.72 v1(208.21,153.03)
  Bottom w0.25: v1(208.21,153.03) 207.58,153.03 207.09,153.51 201.32,153.51 ; v1(68.58,153.83) 68.58,153.68 U123.15 ; v1(68.58,163.13) 80.98,163.13 82.95,165.11 89.12,165.11 91.38,167.36 96.94,167.36 97.35,167.78 127.71,167.78 128.07,167.42 135.41,167.42 135.84,167 135.84,166.54 137.32,165.06 137.32,164.84 U713.13 139.57,164.84 139.57,164.55 140.42,163.7 148.97,163.7 150.42,162.25 v1(157.64,162.25) ; 201.32,153.51 197.98,153.51 U100.145 ; 201.32,153.51 v1(201.32,153.86) ; v1(197.25,168.11) 198.16,167.2 198.16,166.99 198.93,166.21 200.61,166.21 v1(201.32,166.93) ; v1(197.25,178.83) 195.22,180.85 185.1,180.85 184.25,181.7 179.11,181.7 177.8,180.39 177.8,179.67 176.31,178.17 163.51,178.17 162.98,177.65 157.53,177.65 v1(157.42,177.76) ; U517.15 114.3,124.59 110.49,128.4 110.49,129.94 108.98,131.45 108.9,131.45 107.95,132.4 101.02,132.4 100.12,133.3 88.44,133.3 88.26,133.47 88.07,133.47 87.7,133.1 87.1,133.1 86.67,133.53 86.46,133.74 80.15,133.74 79.6,134.29 72.3,134.29 69.71,136.88 69.71,137.16 U122.14
